# Altium PCB MCH_MAIN.PCBDOC (part 4 of 14) (continued)
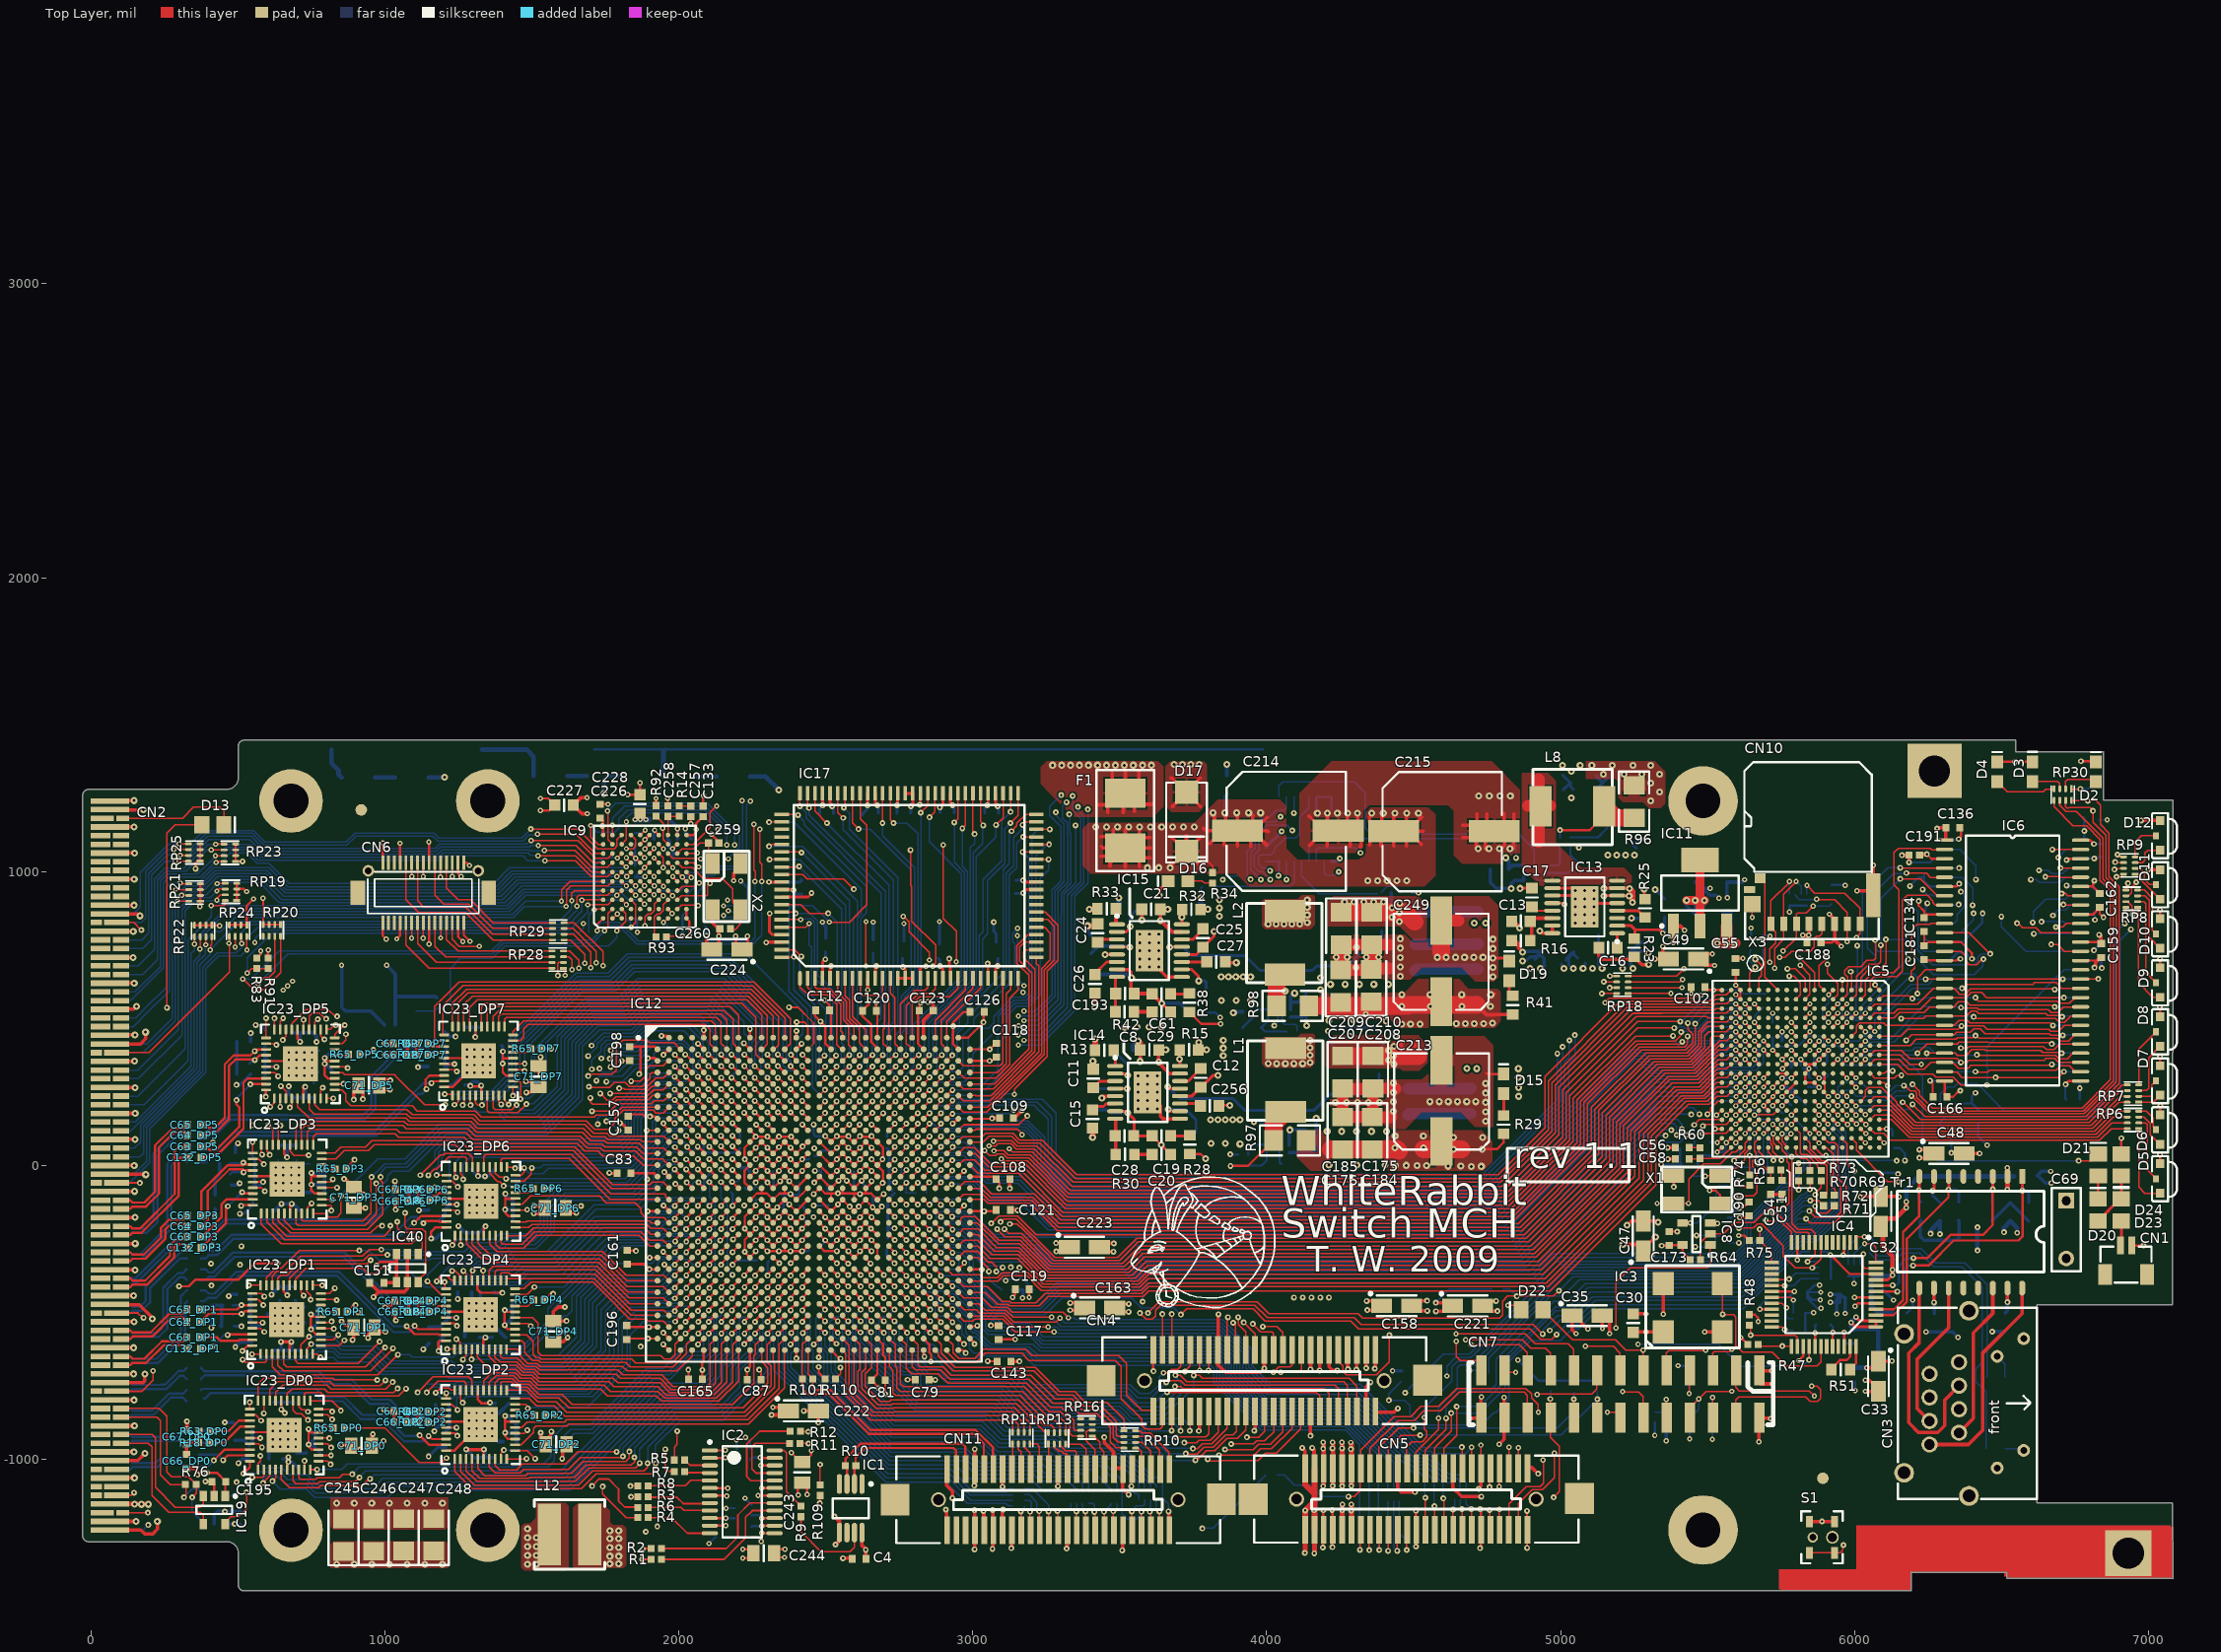
[diagram p0: Top Layer view]
## Nets (pads, with @x,y where several pads share a name; then routed paths per layer and width w, separated by ;. In a path a pad name is that pad's centre, name@x,y a point inside that pad or via, vN(x,y) a via of type N, cw(c..) or ccw(c..) an arc to the next point about the centre after c; other vN are vias at no path point) (continued)
  Top Layer w16: CN2.4@64.97,-1151.59 137,-1151.59 ; v3@149.4,-1151.59 137,-1151.59 ; v3(195.4,-1152.7) 194.29,-1151.59 137,-1151.59
  Bottom Layer w8: C225.2@1851,1020.52 1851,1042.9 v2(1853.2,1045.1) 1852,1046.3 C192.2@1852,1096.18 ; 3998,1034.28 4040.06,1034.28 U1.16@4041.43,1035.65 4041.43,987.13 v1(4040.2,985.9)
  Bottom Layer w10: R57.2@1850.28,840.9 1857,834.18 1857,795.9 v2(1859,793.9) ; v2(2211,967.9) 2234.68,944.22 2234.68,883.43 2234.68,863.74 RP31.4@2234.68,844.06
  Bottom Layer w12: v2(1006,680.9) 1035.72,651.18 1035.72,575.9 ; C254.1@1035.72,477.9 1035.72,575.9 ; IC18.3@1106.17,574.18 IC18.3@1105.46,574.9 ; R94.2@1177,570.62 1172.72,574.9 IC18.3@1105.46,574.9 ; 1035.72,575.9 1036.72,574.9 IC18.3@1105.46,574.9
  other v1: 371,880.9 1740,1154.9
  other v2: 2059,1143.5
  other v3: 172.4,-1152.7 149.4,-1151.7
+12V_BACKPLANE: CN2.2 CN2.9 CN2.18 CN2.27 CN2.42 CN2.57 CN2.72 CN2.84 F1.1 | length 1694.3
  Top Layer w12: CN2.2@64.97,-1210.65 148.63,-1210.65 v3@149.03,-1210.26 ; CN2.9@64.97,-1003.96 159.46,-1003.96 182.49,-980.93 v3@183.47,-979.94 ; CN2.18@64.97,-738.21 177.69,-738.21 183.8,-732.1 v3@183.8,-709.1 ; CN2.72@64.97,856.28 159.62,856.28 v3(166.8,849.1) ; CN2.42@86.62,-29.55 165.17,-29.55 178.05,-29.55 v3@182.4,-33.9 ; CN2.27@87.61,-473.45 164.84,-473.45 v3@209,-517.6 ; CN2.57@87.61,413.37 169.07,413.37 186.8,431.1 v3@186.8,453.3 ; CN2.84@99.03,1210.02 v3@177.57,1210.02 ; 3429.6,1227.1 F1.1@3495.39,1227.1 ; 3460.17,1202.12 3460.17,1225.74 F1.1@3501.44,1267.01 ; 3473.95,1335.98 3473.95,1312.06 F1.1@3519,1267.01 ; F1.1@3477.59,1308.42 F1.1@3519,1267.01 ; F1.1@3495.45,1243.46 F1.1@3519,1267.01 ; 3512.34,1201.14 F1.1@3512.34,1260.35 ; F1.1@3519,1256.81 F1.1@3519,1267.01 ; 3519,1336.21 F1.1@3519,1267.01 ; 3549.74,1204.09 3549.74,1236.27 F1.1@3519,1267.01 ; F1.1@3553.18,1228.7 3608.6,1228.7 ; F1.1@3553.38,1232.63 F1.1@3519,1267.01 ; F1.1@3555.49,1303.5 F1.1@3519,1267.01 ; 3564.5,1338.93 3564.5,1312.51 F1.1@3519,1267.01
  other v3: 153.4,-1211.1 183.8,-979.9 183.6,-709.1 209,-521.3 186.8,-31.1 186.4,453.5 179.6,1210.1 3271.7,1361.9 3302.25,1361.9 3332.79,1361.9 3363.34,1361.9 3393.88,1361.9 3424.43,1361.9 3454.97,1361.9 3485.52,1361.9 3516.06,1361.9 3546.61,1361.9 3577.15,1361.9 3607.7,1361.9
+12V_BULK: C8.1 C10.2 C21.1 C22.2 C23.2 C214.1 C215.1 CN5.1 CN5.2 CN5.3 CN5.4 D17.K F1.2 IC14.15 IC15.15 Q1.5 Q1.6 Q1.7 Q1.8 Q3.5 Q3.6 Q3.7 Q3.8 R13.2 R15.2 R32.2 R33.2 R34.2 R87.2 | length 5072.9
  Top Layer w5: D17.K@3727,1068.51 3764.36,1031.14 3802.66,1031.14 3816,1017.8 R34.2@3816,996.62 3816,1015.5 ; 3773.17,1021.02 3774.28,1019.9
  Top Layer w10: C8.1@3632.75,393.22 C8.1@3633.51,392.45
  Top Layer w12: 3435.57,1052.51 F1.2@3490.72,1052.51 ; 3435.57,1119.44 F1.2@3480.35,1119.44 ; 3437.54,1084.99 3441.74,1080.79 F1.2@3519,1080.79 ; 3467.06,1019.05 3467.06,1028.85 F1.2@3490.72,1052.51 ; 3477.89,1142.08 3477.89,1121.9 F1.2@3480.35,1119.44 ; 3519,1015.34 F1.2@3519,1080.79 ; 3519.23,1143.07 3519,1142.84 F1.2@3519,1080.79 ; 3567.46,1016.1 3567.46,1032.33 F1.2@3552.2,1047.59 ; v3@3567.46,1142.08 3567.46,1129.25 F1.2@3553.72,1115.51 ; 3602.89,1047.59 F1.2@3552.2,1047.59 ; 3603.87,1115.51 F1.2@3553.72,1115.51 ; 3604.86,1080.07 3604.14,1080.79 F1.2@3519,1080.79 ; C8.1@3632.75,393.22 3632.75,349.21 3669.51,312.44 IC14.15@3705.22,312.44 ; C21.1@3638.27,872.08 3638.27,834.83 3678.52,794.58 IC15.15@3712.03,794.58 ; v3@3677.69,1022 D17.K@3724.2,1068.51 ; 3677.69,1115.51 D17.K@3724.69,1068.51 ; 3725.68,1018.5 3727,1019.82 D17.K@3727,1067.18 ; 3727,1122.3 D17.K@3727,1068.51 ; 3773.17,1021.02 D17.K@3727,1067.18 ; 3775.13,1117.47 3775.13,1116.64 D17.K@3727,1068.51 ; 3785.5,1146.7 3793.3,1138.9 C214.1@3900.74,1138.9 ; 3805.65,1094.84 C214.1@3849.71,1138.9 ; 3805.87,1138.9 C214.1@3849.71,1138.9 ; v3@3822.5,1189.7 3822.5,1171.49 C214.1@3855.09,1138.9 ; 3854.86,1090.9 3854.86,1114.52 C214.1@3879.24,1138.9 ; v3@3860.76,1190.31 3860.76,1166.69 3863.72,1163.73 3875.91,1163.73 C214.1@3900.74,1138.9 ; 3900.74,1087.34 C214.1@3900.74,1138.9 ; v3@3900.74,1191.67 C214.1@3900.74,1138.9 ; 3946.39,1085.98 3946.39,1114.52 3944.43,1116.49 3923.15,1116.49 C214.1@3900.74,1138.9 ; 3954.27,1190.31 3952.3,1188.34 3952.3,1161.77 C214.1@3929.43,1138.9 ; 4000.53,1089.92 C214.1@3951.54,1138.9 ; 4001.51,1184.4 C214.1@3956.01,1138.9 ; 4005.45,1135.19 4001.74,1138.9 C214.1@3956.01,1138.9 ; v1(4120.8,-960.7) 4129.79,-969.69 CN5.1@4129.79,-1027.77 ; CN5.1@4128.5,-1026.48 CN5.1@4129.79,-1027.77 ; CN5.1@4129.79,-1030.77 CN5.1@4129.79,-1027.77 ; v1(4154.8,-960.3) 4161.28,-966.78 CN5.3@4161.28,-1027.77 ; CN5.4@4161.28,-1236.43 v1(4161.28,-1173.1) 4161.28,-1143.27 4161.28,-1116.11 ; 4349.94,1090.9 4349.94,1092.87 4350.92,1093.85 4350.92,1107.63 4381.19,1137.9 C215.1@4381.68,1137.9 ; 4349.94,1187.36 4349.94,1169.64 C215.1@4381.68,1137.9 ; 4389.31,1086.96 4389.31,1110.58 4393.24,1114.52 4408.36,1114.52 C215.1@4431.74,1137.9 ; v3@4391.28,1190.31 4391.28,1164.72 C215.1@4418.09,1137.9 ; v3@4431.74,1188.23 C215.1@4431.74,1137.9 ; 4432.61,1087.95 4431.74,1088.82 C215.1@4431.74,1137.9 ; v3@4474.94,1189.33 4474.94,1164.72 4458.56,1164.72 C215.1@4431.74,1137.9 ; 4475.92,1087.95 4475.92,1122.4 C215.1@4460.42,1137.9 ; 4526.12,1092.87 C215.1@4481.09,1137.9 ; 4528.09,1185.39 C215.1@4480.6,1137.9 ; 4532.02,1137.16 4531.28,1137.9 C215.1@4481.09,1137.9 ; F1.2@3480.35,1119.44 F1.2@3519,1080.79 ; F1.2@3480.35,1119.44 F1.2@3519,1080.79 ; F1.2@3490.72,1052.51 F1.2@3519,1080.79 ; F1.2@3490.72,1052.51 F1.2@3519,1080.79 ; F1.2@3519,1080.79 F1.2@3553.72,1115.51 ; F1.2@3519,1080.79 F1.2@3552.2,1047.59 ; F1.2@3519,1080.79 F1.2@3552.2,1047.59 ; F1.2@3519,1080.79 F1.2@3553.72,1115.51 ; D17.K@3724.2,1068.51 D17.K@3724.69,1068.51 ; D17.K@3724.2,1068.51 D17.K@3724.69,1068.51 ; D17.K@3724.69,1068.51 D17.K@3727,1068.51 ; D17.K@3724.69,1068.51 D17.K@3727,1068.51 ; D17.K@3724.69,1068.51 D17.K@3727,1068.51 ; D17.K@3727,1067.18 D17.K@3727,1068.51 ; D17.K@3727,1067.18 D17.K@3727,1068.51 ; C214.1@3849.71,1138.9 C214.1@3855.09,1138.9 ; C214.1@3849.71,1138.9 C214.1@3855.09,1138.9 ; C214.1@3855.09,1138.9 C214.1@3879.24,1138.9 ; C214.1@3855.09,1138.9 C214.1@3879.24,1138.9 ; C214.1@3855.09,1138.9 C214.1@3879.24,1138.9 ; C214.1@3879.24,1138.9 C214.1@3900.74,1138.9 ; C214.1@3879.24,1138.9 C214.1@3900.74,1138.9 ; C214.1@3879.24,1138.9 C214.1@3900.74,1138.9 ; C214.1@3879.24,1138.9 C214.1@3900.74,1138.9 ; C214.1@3900.74,1138.9 C214.1@3929.43,1138.9 ; C214.1@3900.74,1138.9 C214.1@3929.43,1138.9 ; C214.1@3900.74,1138.9 C214.1@3929.43,1138.9 ; C214.1@3900.74,1138.9 C214.1@3929.43,1138.9 ; C214.1@3929.43,1138.9 C214.1@3951.54,1138.9 ; C214.1@3929.43,1138.9 C214.1@3951.54,1138.9 ; C214.1@3929.43,1138.9 C214.1@3951.54,1138.9 ; C214.1@3951.54,1138.9 C214.1@3956.01,1138.9 ; C214.1@3951.54,1138.9 C214.1@3956.01,1138.9 ; C215.1@4381.68,1137.9 C215.1@4418.09,1137.9 ; C215.1@4381.68,1137.9 C215.1@4418.09,1137.9 ; C215.1@4418.09,1137.9 C215.1@4431.74,1137.9 ; C215.1@4418.09,1137.9 C215.1@4431.74,1137.9 ; C215.1@4418.09,1137.9 C215.1@4431.74,1137.9 ; C215.1@4431.74,1137.9 C215.1@4460.42,1137.9 ; C215.1@4431.74,1137.9 C215.1@4460.42,1137.9 ; C215.1@4431.74,1137.9 C215.1@4460.42,1137.9 ; C215.1@4431.74,1137.9 C215.1@4460.42,1137.9 ; C215.1@4460.42,1137.9 C215.1@4480.6,1137.9 ; C215.1@4460.42,1137.9 C215.1@4480.6,1137.9 ; C215.1@4460.42,1137.9 C215.1@4480.6,1137.9 ; C215.1@4480.6,1137.9 C215.1@4481.09,1137.9 ; C215.1@4480.6,1137.9 C215.1@4481.09,1137.9
  Top Layer w16: v1(4130,-1318.1) 4131.05,-1317.05 CN5.2@4131.05,-1239.43 ; v1(4162,-1319.1) 4162.54,-1318.56 CN5.4@4162.54,-1239.43
  Top Layer w20: v3(3396.31,872.07) 3423.26,872.07 R33.2@3424.28,873.08 ; v3(3416,430.9) 3416.16,430.74 R13.2@3416.16,392.3 ; CN5.2@4131.05,-1239.43 v1(4131.05,-1173.51) 4161.28,-1143.27 ; CN5.1@4131.05,-1030.77 4131.05,-1085.87 4161.28,-1116.11 ; CN5.4@4162.54,-1239.43 CN5.3@4162.54,-1030.77
  Bottom Layer w5: v3(3775.6,909.7) 3775.6,944.22 R87.2@3781.28,949.9
  Bottom Layer w12: v3(3858.03,1199.53) 3858.03,1256.43 C23.2@3865,1263.4
  Bottom Layer w20: v3(3775.6,909.7) 3775.6,877.32 C22.2@3775.27,876.99 3794.93,876.99 v3(3799.85,872.07)
  other v1: 4093,-449.1 4122.75,-449.1 4152.5,-449.1 4182.25,-449.1 4212,-449.1
  other v3: 4212.3,1.7 4307.27,1.7 4402.25,1.7 4205.9,116.1 4255.39,116.13 4305.97,116.13 4356.55,116.13 4407.12,116.13 3632.53,352.38 3657.14,393.72 3794.93,393.72 3769.34,419.31 3517.9,470.1 3558.69,470.76 3600.09,471.46 3642.29,471.46 4405.9,491.7 4211.7,493.8 4294.8,494.9 4182.68,598.48 4217.18,616.16 4266.39,616.16 4315.6,616.16 4364.81,616.16 4414.03,616.16 4182.68,638.66 3638.44,832.7 3664.03,872.07 4343.8,969.5 4377,969.5 4410.2,969.5 4443.4,969.5 4476.6,969.5 3594.7,1013.2 3632.95,1013.2 3671.2,1013.2 3418.3,1151.2 3455.63,1151.2 3492.97,1151.2 3530.3,1151.2 3567.63,1151.2 3604.97,1151.2 3642.3,1151.2 3679.63,1151.2 3716.97,1151.2 3754.3,1151.2 4357.04,1199.03 4396.75,1199.03 4436.47,1199.03 4476.18,1199.03 4515.9,1199.03 3817.6,1199.53 3898.45,1199.53 3938.88,1199.53 3979.3,1199.53
A0: IC5.E9 IC6.15 | length 601.8
  Top Layer w5: v1(6214.2,585) 6214.2,638.7 6218.6,643.1 ; 6218.6,643.19 6241.08,665.67 IC6.15@6305.85,665.67
  Top Layer w8: IC5.E9@5958.06,344.87 v2(5973.81,360.62)
  MidLayer1 w5: v2(5973.81,360.62) 5989.56,376.37 6075,376.37 6075.13,376.5 6158.8,376.5 6168.2,385.9 ; 6168.31,385.79 6214.2,431.69 v1(6214.2,585)
A1: IC5.A9 IC7.15 | length 949.5
  Top Layer w5: IC5.A9@6084.05,344.87 6145.78,344.87 6179.22,311.43 6266.68,311.43 6276.98,301.13 6335.03,301.13 6362.16,274 v1(6450.21,274)
  Bottom Layer w5: v1(6450.21,274) 6450.21,403.94 6711.95,665.67 IC7.15@6765.85,665.67
A2: IC5.D9 IC6.23 IC7.23 | length 818.5
  Top Layer w5: v1(6213.99,382.26) 6245.43,413.71 6271.53,413.71 6274,413.71 IC6.23@6305.85,413.71 ; IC6.23@6305.85,413.71 IC6.23@6305.85,413.71 ; IC6.23@6307.05,414.9 IC6.23@6305.85,413.71 ; v1@6671.72,414.69 6669.11,417.3 6459.5,417.3 6456.5,420.3 6354.5,420.3 6347.91,413.71 IC6.23@6305.85,413.71
  Top Layer w8: IC5.D9@5989.56,344.87 6000.8,356.11 v2(6005.33,360.61)
  Bottom Layer w5: v2@6008.96,356.11 v2(6005.33,360.61) 6020.83,376.12 6065.03,376.12 6065.15,376.24 6207.72,376.24 6207.84,376.12 v1(6213.99,382.26) ; v1(6670.73,413.71) IC7.23@6765.85,413.71
A3: IC5.C9 IC6.24 IC7.24 | length 784.3
  Top Layer w5: v1(6245.48,382.26) IC6.24@6305.85,382.21 IC6.24@6305.85,382.21 ; IC6.24@6318.32,382.26 6341.9,382.26 6349.56,374.6 6379.53,374.6 6399.03,394.1 6441.83,394.1 6444.91,391.01 6632.69,391.01 ; 6636.9,386.8 6632.69,391.01 ; v1(6704.2,382.21) 6702.2,384.21 6639.49,384.21 6632.69,391.01
  Top Layer w8: IC5.C9@6021.05,344.87 v2(6036.8,360.62)
  Bottom Layer w5: v2@6038.79,357.55 v2@6038.79,360.61 ; v2@6039.95,360.62 v2(6036.8,360.62) 6237.62,360.62 6245.48,368.48 v1(6245.48,382.26) ; v1(6704.2,382.21) IC7.24@6765.85,382.21
A4: IC5.B9 IC6.25 IC7.25 | length 734.4
  Top Layer w5: IC5.B9@6054.3,344.87 6052.58,344.87 6068.61,360.9 6150,360.9 6183.5,327.4 6235.91,327.4 6259.23,350.71 IC6.25@6305.85,350.71 ; IC6.25@6333.94,350.77 6353.49,331.21 6386.3,331.21 6395.8,340.71 6667.33,340.71 v1(6670.89,344.27)
  Bottom Layer w5: v1(6670.89,344.27) 6672.26,342.9 6704,342.9 6711.81,350.71 IC7.25@6765.85,350.71
A5: IC5.A8 IC6.26 IC7.26 | length 927.5
  Top Layer w5: IC5.A8@6084.05,376.37 6154.92,376.37 6187.39,343.9 v2(6227,343.9) ; IC6.26@6306.51,319.27 6308.47,317.3 6347.84,317.3 6365.38,299.77 6692.63,299.77 v1(6712.07,319.22)
  MidLayer1 w5: v2(6227,343.9) 6247.86,364.76 6333.26,364.76 6342,373.5 6382.17,373.5 6416.9,338.77 6440.55,338.77 v1(6479.73,299.59)
  Bottom Layer w5: v1(6712.07,319.22) IC7.26@6765.85,319.22
A6: IC5.F9 IC6.29 IC7.29 | length 1003.8
  Top Layer w5: v1@6411.82,318.29 6414.02,320.48 6416.9,317.6 6451.7,317.6 6458.87,324.77 6685.78,324.77 6699.72,338.72 6731.57,338.72 6751.07,319.22 IC6.29@6768.84,319.22
  Top Layer w8: IC5.F9@5926.57,344.87 v2(5942.31,360.62)
  MidLayer1 w5: v2(5942.31,360.62) 5962.63,340.3 6097.6,340.3 6102.42,345.12 6112.61,345.12 ; 6104.6,345.12 6112.61,345.12 ; v1(6410.84,319.27) 6198.24,319.27 6172.39,345.12 6112.61,345.12
  Bottom Layer w5: IC7.29@6302.86,319.22 v1(6410.84,319.27)
A7: IC5.B8 IC6.30 IC7.30 | length 809.2
  Top Layer w5: IC5.B8@6052.55,376.37 6067.92,391.74 6159.24,391.74 6186.86,364.12 6348.17,364.12 v1(6361.57,350.71) 6381.2,350.71 6388.37,357.89 6644.81,357.89 6650.7,363.77 6680.92,363.77 6693.92,350.77 IC6.30@6768.84,350.71
  Bottom Layer w5: IC7.30@6302.86,350.71 v1(6361.57,350.71)
A8: IC5.C8 IC6.31 IC7.31 | length 786.5
  Top Layer w5: IC5.C8@6021.05,376.37 v2@6036.43,391.74 ; v1@6414.72,382.21 6422.72,374.21 6684.63,374.21 6696.12,362.71 6723.7,362.71 6743.2,382.21 IC6.31@6768.84,382.21
  Bottom Layer w5: v2(6036.8,392.11) 6196.26,392.11 6205.91,401.76 6253.56,401.76 6273.11,382.21 IC7.31@6302.86,382.21 6341.3,382.21 6348.41,375.1 6414.1,375.1 v1(6415.6,376.6)
A9: IC5.D8 IC6.32 IC7.32 | length 820.8
  Top Layer w5: v1(6361.5,399.7) 6384.1,399.7 6389.9,405.5 6444.57,405.5 6447.3,405.5 6642.01,405.5 6653.3,394.21 6678.81,394.21 6697.8,413.2 6768.33,413.2 IC6.32@6768.84,413.71
  Top Layer w8: IC5.D8@5989.56,376.37 v2(6005.31,392.11)
  Bottom Layer w5: v2(6005.31,392.11) 6019.27,406.07 6027.43,406.07 6029.46,408.11 6044.14,408.11 6044.45,407.8 6189.4,407.8 6197,415.4 6301.17,415.4 IC7.32@6302.86,413.71 ; IC7.32@6300.92,411.76 IC7.32@6302.86,413.71 ; v1@6362.1,399.5 6347.89,413.71 IC7.32@6302.86,413.71
A10: IC5.A7 IC6.33 IC7.33 | length 827.4
  Top Layer w5: IC5.A7@6084.05,407.86 6188.39,407.86 6209.88,429.36 6273.04,429.36 6276,429.36 6344.35,429.36 6350.05,435.05 6402.6,435.05 v1@6412.81,445.26 ; v1@6412.81,443.29 6422.89,433.21 6688.82,433.21 6698.83,423.2 6727.79,423.2 6749.79,445.2 IC6.33@6768.84,445.2
  Bottom Layer w5: IC7.33@6302.86,445.2 6374.9,445.2 6378.1,442 v1(6411.2,442)
A11: IC5.A6 IC6.34 IC7.34 | length 773.6
  Top Layer w5: IC5.A6@6084.05,439.36 6156.81,439.36 6180.4,462.95 6209.19,462.95 ; 6209.19,462.97 6273.19,462.97 6273.42,463.21 6352.02,463.21 v1(6363.59,474.78) ; v1@6365.56,474.78 6365.64,474.7 6439.5,474.7 6450.31,463.9 6659.9,463.9 6666.59,457.2 6694.17,457.2 6713.67,476.7 IC6.34@6768.84,476.7
  Bottom Layer w5: IC7.34@6302.86,476.7 v1@6363.59,476.7
A12: IC5.F8
A13: IC5.C7 IC6.35 IC7.35 | length 807.1
  Top Layer w5: v1(6405.14,505.69) 6410.64,500.19 6684.63,500.19 6698.04,486.78 6714.19,486.78 6735.64,508.23 IC6.35@6767.12,508.23
  Top Layer w8: IC5.C7@6021.05,407.86 v2(6036.8,423.61)
  Bottom Layer w5: v2@6036.97,423.44 v2(6036.8,423.61) 6040.51,419.9 6134,419.9 6222.32,508.22 6245,508.22 IC7.35@6302.83,508.22 ; IC7.35@6304.54,508.25 6402.58,508.25 v1(6405.14,505.69)
A14: IC5.E7 IC6.36 IC7.36 | length 882.2
  Top Layer w5: v1@6370.12,535.19 6417.36,535.19 6421.77,530.77 6658.42,530.77 6669,520.19 6690.73,520.19 6710.23,539.69 IC6.36@6768.84,539.69
  Top Layer w8: IC5.E7@5958.06,407.86 v2(5973.81,423.61)
  Bottom Layer w5: v2(5973.81,423.61) 6013.21,423.61 6028.95,439.35 6043.55,439.35 6053,429.9 6122,429.9 6231.82,539.72 6247.57,539.72 6249,539.72 6270.21,539.72 ; 6265.11,539.69 IC7.36@6302.86,539.69 v1@6359.71,539.69
  other v1: 6361.83,537.18
A15: IC5.B7
A16: IC5.F7 IC6.20 IC7.20 | length 925.4
  Top Layer w5: v1(6158,499.9) 6232,499.9 6235.17,499.9 6243.46,508.19 IC6.20@6305.85,508.19 ; IC6.20@6304.54,508.25 6380.12,508.25 6397.06,525.19 6413.22,525.19 6421.6,516.8 6650.29,516.8 6656.9,510.19 6702.2,510.19 v1(6706.11,506.28)
  Top Layer w8: IC5.F7@5926.57,407.86 v2(5942.31,423.61)
  MidLayer1 w5: v2(5942.31,423.61) 5958.06,439.36 6097.46,439.36 v1(6158,499.9)
  Bottom Layer w5: v1@6706.11,504.31 6710,508.19 IC7.20@6765.85,508.19 IC7.20@6792.67,508.19
A17: IC5.D6 IC6.21 IC7.21 | length 825.9
  Top Layer w5: IC5.D6@5989.56,439.36 6005.68,455.48 6005.68,475.81 6015.77,485.9 6098,485.9 6107.2,476.7 IC6.21@6305.85,476.7 IC6.21@6308.53,476.7 ; IC6.21@6308.47,476.75 IC6.21@6308.53,476.7 ; v1(6674.67,476.7) 6666.67,484.7 6392.67,484.7 6383.09,494.28 6355.52,494.28 6337.93,476.7 IC6.21@6308.53,476.7
  Bottom Layer w5: v1(6674.67,476.7) IC7.21@6765.85,476.7
A18: IC5.D7
A19: IC5.A5
A20: IC5.D5
A21: IC5.C6
A22: IC5.B6 | length 1
  Top Layer w5: IC5.B6@6052.55,439.36 IC5.B6@6053.56,439.36
AD4: IC9.K9 U1.3 | length 2353.1
  Top Layer w5: IC9.K9@2026.46,1092.87 2049.97,1092.87 2107,1149.9 2107,1200.9 v2(2129,1222.9)
  MidLayer1 w5: v2(2129,1222.9) 2154,1222.9 2177.5,1199.4 2332,1199.4 2359.75,1171.65 2459.25,1171.65 2480.5,1150.4 2520.76,1110.14 2844,1110.14 ; 2835.24,1110.14 2844,1110.14 ; v1(4092.6,1199.4) 4072.6,1199.4 4065.2,1206.8 4035,1206.8 4021.9,1193.7 4021.9,1173.4 3994.93,1146.43 3840.67,1146.43 3815.24,1121 3323.39,1121 3277.49,1166.9 3219,1166.9 3191,1138.9 3167.49,1138.9 3138.73,1110.14 2844,1110.14
  Bottom Layer w5: v1(4092.6,1199.4) U1.3@4092.61,1254.15
ADC_3V3: R88.1 R90.2 U1.13 | length 425.9
  Bottom Layer w5: U1.13@4118.2,1035.65 4118.2,985.6 4178.9,924.9 R88.1@4378.5,924.9 ; R88.1@4389.49,927.9 R88.1@4388.28,927.9 4410.26,949.88 4437.3,949.88 R90.2@4459.28,927.9
ADC_12V: R87.1 R89.2 U1.14 | length 368.3
  Bottom Layer w5: R87.1@3816.72,949.9 3817.22,950.4 3945.2,950.4 ; 3934.22,950.4 3945.2,950.4 ; 4029.8,950.4 4033.4,950.4 ; U1.14@4092.61,1035.65 4092.61,963.51 4079.5,950.4 4033.4,950.4 ; 3945.2,950.4 4033.4,950.4
AUX0: IC12.H12 | length 32.2
  Top Layer w8: v1(2337.32,180.82) 2339.01,180.82 IC12.H12@2360.62,159.21
AUX1: IC12.Y15 | length 2.5
  Top Layer w5: IC12.Y15@2476.27,-313.23 IC12.Y15@2478.73,-313.23
AUX2: IC12.M4 | length 29
  Top Layer w8: v1@2025.31,22.35 2045.65,2.01 IC12.M4@2045.65,1.73
  other v1: 2025.5,20.7
AUX3: IC12.AB17 | length 27.1
  Top Layer w8: IC12.AB17@2557.47,-391.97 2557.47,-394.1 v1@2575.1,-411.73
  other v1: 2576.09,-411.67
AUX4: IC12.AA19 | length 25.1
  Top Layer w8: IC12.AA19@2636.21,-352.6 2636.21,-352.76 v1@2653.84,-370.4
  other v1: 2654.83,-372.3
AUX5: IC12.C11 | length 27.4
  Top Layer w8: v1@2301.89,375.42 IC12.C11@2321.25,356.06
  other v1: 2301.89,377.67
AUX6: IC12.J14 | length 27.7
  Top Layer w8: v1(2420.4,139.7) 2420.4,138.8 IC12.J14@2439.36,119.84
AUX7: IC12.Y12 | length 3.1
  Top Layer w5: IC12.Y12@2360.62,-316.28 IC12.Y12@2360.62,-313.23
CAS: IC5.B3 IC6.17 IC7.17 | length 774.2
  Top Layer w5: IC5.B3@6052.55,533.85 6053.3,533.85 6069.15,549.7 6215,549.7 6268,602.7 ; 6268,602.68 IC6.17@6305.85,602.68 6338.06,602.68 6346.06,594.68 6357.48,583.24 6377.2,583.24 6394.41,600.45 6665.2,600.45 6667.43,602.68 6676.64,602.68 v1(6680.52,598.8) ; IC6.17@6300.6,604.7 IC6.17@6305.85,604.7
  Bottom Layer w5: v1(6680.52,598.8) 6676.64,602.68 IC7.17@6765.85,602.68
CLKB_FPGA_DCLK: CN5.25 R71.1 | length 1973.3
  Top Layer w5: CN5.25@4507.74,-1027.77 4507.74,-974.76 4584,-898.5 v2(4584,-860.1) ; v2(5866,-138.1) 5866,-155.1 5872.2,-161.3 5906.52,-161.3 R71.1@5931,-136.82
  Bottom Layer w5: v2(4584,-860.1) 4584,-824.1 4598.5,-809.6 ; 4597.5,-810.6 4598.5,-809.6 ; 5161.2,-368.06 5175,-368.06 ; 5780.72,-180.1 5774.86,-185.96 ; v2(5866,-138.1) 5865.5,-137.6 5823.22,-137.6 5774.86,-185.96 ; 4598.5,-809.6 4648,-760.1 4648,-688.1 4658,-678.1 4714,-678.1 5024.04,-368.06 5175,-368.06 ; 5175,-368.06 5611.75,-368.06 5686,-293.82 5686,-275.28 5724.5,-236.78 5724.5,-236.32 5774.86,-185.96
CLKB_FPGA_DIN: CN5.23 R72.1 | length 1951.9
  Top Layer w5: CN5.23@4476.24,-1027.77 4476.24,-957.66 4494.7,-939.2 4528.6,-939.2 4544.8,-923 4544.8,-905.1 4536,-896.3 v2(4536,-857.1) ; v1(5849,-119.1) 5876.28,-119.1 R72.1@5894,-136.82 ; R72.1@5894.96,-141.78 R72.1@5896,-142.82
  Bottom Layer w5: v2(4536,-857.1) 4536,-827.1 4556.5,-806.6 4629.5,-733.6 4629.5,-685.1 4648.5,-666.1 4707,-666.1 5015.04,-358.06 5607.18,-358.06 5676,-289.24 5676,-271.13 5714.5,-232.63 5714.5,-232.17 5826.28,-120.4 5847.7,-120.4 v1(5849,-119.1)
CMI_CLKSRC0: CN4.19 IC12.AF26 | length 1118.6
  Top Layer w5: v1(3886,-535.1) 3894,-543.1 3894,-624.26 CN4.19@3897.51,-627.77 ; CN4.19@3897.25,-630.77 CN4.19@3897.25,-627.77
  Top Layer w8: IC12.AF26@2911.8,-549.45 2911.8,-549.61 v1@2929.43,-567.25
  MidLayer1 w5: v1(2930.42,-568.17) 2954.17,-568.17 2959.8,-573.8 3151.4,-573.8 3174.5,-596.9 3368.8,-596.9 3412,-553.7 3867.4,-553.7 v1(3886,-535.1)
CMI_CLKSRC1: CN4.17 IC12.AE25 | length 1251.3
  Top Layer w5: CN4.17@3865.76,-630.77 CN4.17@3865.76,-627.77 ; 3866.02,-548.1 CN4.17@3866.02,-627.77 3866.02,-518.08 v1(3868,-516.1)
  Top Layer w8: IC12.AE25@2872.43,-510.08 2872.43,-512.21 v1@2892.03,-531.81
  MidLayer1 w5: v1(2892.03,-532.73) 2909.6,-550.3 2950.8,-550.3 2963.3,-562.8 3158.7,-562.8 3181,-585.1 3359.5,-585.1 3405,-539.6 3844.5,-539.6 v1(3868,-516.1)
CMI_IRQ0: CN4.23 IC12.AF24 | length 1301.3
  Top Layer w5: v1(3922,-534.1) 3960.5,-572.6 CN4.23@3960.5,-627.77
  Top Layer w8: IC12.AF24@2833.06,-549.45 2852.66,-569.06 v1@2852.66,-569.22
  MidLayer1 w5: v1(2855.61,-569.15) 2943.66,-657.2 2998.4,-657.2 3024.4,-631.2 3379.8,-631.2 3424.4,-586.6 3886.5,-586.6 3922,-551.1 v1(3922,-534.1)
CMI_IRQ1: CN4.21 IC12.AF25 | length 1299
  Top Layer w5: v1(3903,-516.1) 3904,-517.1 3904,-541.09 3928.75,-565.84 ; CN4.21@3928.75,-630.77 3928.75,-565.84 ; CN4.21@3929.01,-627.77 3929.01,-566.1 3928.75,-565.84
  Top Layer w8: IC12.AF25@2872.43,-549.45 v1@2890.06,-567.09
  MidLayer1 w5: v1(2891.05,-568.17) 2912.18,-589.3 3019.1,-589.3 3043.6,-613.8 3372.6,-613.8 3417.6,-568.8 3877.05,-568.8 3903.5,-542.35 v1@3903.5,-516.6
CMI_PIO0: CN4.13 IC12.AD22 | length 1457.1
  Top Layer w5: v1(3802,-697.1) 3803.02,-696.08 CN4.13@3803.02,-627.77 ; v1@3802.76,-687.26 CN4.13@3802.76,-630.77
  Top Layer w8: IC12.AD22@2751.35,-468.82 IC12.AD22@2754.24,-468.82 ; IC12.AD22@2754.32,-470.71 v1@2774.02,-490.41
  MidLayer1 w5: v1(2776,-490.1) 2760.37,-505.73 2760.37,-628.37 2838.8,-706.8 2881.3,-706.8 2908.3,-733.8 3397.9,-733.8 3476.8,-654.9 3794.8,-654.9 3803,-663.1 v1@3803,-696.1
CMI_PIO1: CN4.11 IC12.AC21 | length 1472.4
  Top Layer w5: 3771.27,-686.37 CN4.11@3771.27,-630.77 ; v2@3771.53,-696.63 CN4.11@3771.53,-627.77
  Top Layer w8: IC12.AC21@2714.95,-431.34 2732.58,-448.98 v1@2732.58,-449.14
  MidLayer1 w5: v1(2733.57,-451.04) 2750.07,-467.54 2750.07,-650.57 2790.45,-690.95 2790.85,-690.95 2849.4,-749.5 3403.4,-749.5 3482,-670.9 3761.8,-670.9 3773,-682.1 3773,-696.1 v2(3772,-697.1)
CMI_PIO2: CN4.9 IC12.AB20 | length 1441.5
  Top Layer w5: v1@3723.4,-697.9 3739.77,-681.53 CN4.9@3739.77,-630.77
  Top Layer w8: IC12.AB20@2675.58,-391.97 2693.37,-409.77 v1@2697.15,-409.77
  MidLayer1 w5: v1(2698.13,-411.67) 2699.67,-411.67 2715.63,-427.63 2715.63,-646.93 2776.6,-707.9 2787.1,-707.9 2842.4,-763.2 3416.8,-763.2 3497.4,-682.6 3704.3,-682.6 v1(3722,-700.3)
CMI_PIO3: CN4.7 IC12.AE23 | length 1160
  Top Layer w5: v1(3649,-705.3) 3665.4,-705.3 3677.1,-693.6 3698.3,-693.6 3708.28,-683.62 CN4.7@3708.28,-630.77
  Top Layer w8: IC12.AE23@2793.69,-510.08 2811.32,-527.72 v1@2811.32,-529.85
  Bottom Layer w5: v1(2812.31,-529.78) 2834.95,-552.42 2834.95,-600.05 2845,-610.1 2866.4,-610.1 2943.6,-687.3 3147.5,-687.3 3204.9,-744.7 3534.8,-744.7 3566.6,-776.5 3604.4,-776.5 3633.4,-747.5 3633.4,-720.9 v1(3649,-705.3)
CMI_SPI_CS: CN4.27 IC12.AE24 | length 1434.1
  Top Layer w5: v1(3953,-539.1) 3980,-566.1 4018,-566.1 4023.5,-571.6 CN4.27@4023.5,-627.77 ; CN4.27@4023.24,-630.77 CN4.27@4023.24,-627.77
  Top Layer w8: IC12.AE24@2833.06,-510.08 2850.85,-527.88 v1@2854.63,-527.88
  MidLayer1 w5: v1@2855.61,-531.19 2839.11,-547.69 2839.11,-581.71 2927.4,-670 3006.5,-670 3032.4,-644.1 3387.3,-644.1 3431.7,-599.7 3892.4,-599.7 v1(3953,-539.1)
  other v1: 2855.61,-529.78
CMI_SPI_SCLK: CN4.33 IC12.AF23 | length 1536.1
  Top Layer w5: v2(4048,-704.1) 4109,-704.1 4119,-694.1 4119,-628.79 CN4.33@4117.98,-627.77
  Top Layer w8: IC12.AF23@2793.69,-549.45 2793.69,-549.61 v1@2813.29,-569.22
  MidLayer1 w5: v1(2812.31,-569.15) 2811.7,-569.76 2811.7,-593.1 2918.1,-699.5 3385.7,-699.5 3457.9,-627.3 3971.2,-627.3 v2(4048,-704.1)
CMI_SPI_SDIN: CN4.31 IC12.AC22 | length 1678.1
  Top Layer w5: v2(4023,-704.1) 4042,-685.1 4080,-685.1 4086.49,-678.61 CN4.31@4086.49,-627.77
  Top Layer w8: IC12.AC22@2754.32,-431.34 v1@2774.02,-451.04
  MidLayer1 w5: v1(2776.87,-451.04) 2777.94,-451.04 2793.7,-466.8 ; 2789.8,-462.9 2793.7,-466.8 ; v2(4023,-704.1) 4023,-697.27 3967.33,-641.6 3467.7,-641.6 3392.3,-717 2913.1,-717 2889.2,-693.1 2845.2,-693.1 2793.7,-641.6 2793.7,-466.8
CMI_SPI_SDOUT: CN4.29 IC12.AD24 | length 1531.8
  Top Layer w5: v1(3987,-548.1) 4035,-548.1 4042,-555.1 4044,-557.1 4054.99,-568.09 CN4.29@4054.99,-627.77 ; CN4.29@4054.73,-630.77 CN4.29@4054.73,-627.77
  Top Layer w8: IC12.AD24@2833.06,-470.71 2834.87,-470.71 v1@2854.63,-490.48
  MidLayer1 w5: v1(2855.61,-490.41) 2830.11,-515.91 2830.11,-591.41 2922.7,-684 3372.5,-684 3442.5,-614 3921.1,-614 v1(3987,-548.1)
CPU_A0: IC5.U6 IC12.AA24 | length 3315.8
  Top Layer w5: v1@3126,-198.9 3126,-195.1 3126.15,-195.25 v1(3126.15,-198.9) 3151.8,-198.9 3172,-219.1 3174,-221.1 3247.5,-294.6 3247.5,-294.69 3275.41,-322.6 3500.1,-322.6 3563,-259.7 4892.2,-259.7 5166,14.1 5166,163.1 5336.43,333.53 5449.99,333.53 5541.45,424.98 5565.29,424.98 IC5.U6@5579.89,439.58
  Top Layer w8: IC12.AA24@2832.98,-352.68 IC12.AA24@2832.98,-351.63 ; IC12.AA24@2833.06,-352.6 2833.06,-354.73 v1@2852.66,-374.33
  MidLayer1 w5: v1(2852.66,-375.25) 2870.47,-357.45 2984.55,-357.45 3090.2,-251.8 3099,-251.8 3126,-224.8 3126,-198.9 3126,-195.1 3126.15,-195.25 v1(3126.15,-198.9)
CPU_A1: IC5.V5 IC12.R28 | length 3005.9
  Top Layer w5: IC12.R28@2990.54,-116.38 2991.18,-115.74 3038.52,-115.74 3051.44,-128.66 3051.81,-129.03 3194.33,-129.03 3287.8,-222.5 4867.4,-222.5 5130,40.1 5130,187.7 5305.83,363.53 5437.57,363.53 5479.03,404.99 5479.03,453.03 5498.73,472.73 5546.73,472.73 IC5.V5@5548.61,470.85
CPU_A2: IC5.R6 IC12.J25 | length 3172.8
  Top Layer w5: IC12.J25@2872.43,119.84 v1@2892.03,139.45 ; v1@2891.76,142.98 2893.02,144.23 v1@2893.02,148.3
  Top Layer w8: v2(5627.24,455.44) IC5.R6@5642.99,439.69
  Bottom Layer w5: v1@2892.03,139.45 v1(2892.03,142.4) 2909.03,159.4 3028.5,159.4 3046.5,141.4 3184.11,141.4 3231.8,93.71 3231.8,7.5 3319.4,-80.1 4755.8,-80.1 5038.8,202.9 5038.8,202.96 5229.37,393.53 5442.56,393.53 5463.58,414.56 5543.56,414.56 5568.44,439.44 5589.32,439.44 ; 5589.21,439.33 5589.32,439.44 ; v2(5627.24,455.44) 5611.24,439.44 5589.32,439.44
CPU_A3: IC5.V6 IC12.AA22 | length 3510.8
  Top Layer w5: v1(3095,-192.1) 3105.7,-181.4 3148.44,-181.4 3263.9,-296.86 ; 3263.9,-296.95 3279.55,-312.6 3493.13,-312.6 3558.03,-247.7 4882.2,-247.7 5154,24.1 5154,169.7 5327.83,343.53 5445.85,343.53 5510.36,408.04 5510.36,434 5515.72,439.36 IC5.V6@5548.61,439.36 IC5.V6@5545.1,442.87
  Top Layer w8: IC12.AA22@2754.32,-352.6 2754.32,-354.73 v1@2773.92,-374.33
  MidLayer1 w5: v1(2773.92,-375.25) 2790.42,-391.75 2965.25,-391.75 3095,-262 3114.1,-262 3147,-229.1 3147,-187.1 3137,-177.1 3113,-177.1 3098,-192.1 v1(3095,-192.1)
CPU_A4: IC5.P8 IC12.H24 | length 3411.3
  Top Layer w5: v1@2848.46,174.61 IC12.H24@2833.06,159.21 v1@2851.68,177.83
  Top Layer w8: v2(5658.74,392.44) IC5.P8@5674.48,376.69
  MidLayer1 w5: v1(5006.6,403.9) 5009,401.5 5314,401.5 5348.8,366.7 5527.2,366.7 5568.44,407.94 5643.24,407.94 v2(5658.74,392.44)
  Bottom Layer w5: v1(2852.66,177.83) 2878.47,203.64 2934.72,203.64 ; 2934.64,203.56 2934.72,203.64 ; 2938.65,203.64 2934.72,203.64 ; v1(5006.6,403.9) 5007.8,402.7 5007.8,364.7 5000.8,357.7 5000.8,218.64 4740.06,-42.1 3342.4,-42.1 3268.4,31.9 3268.4,166.2 3219.1,215.5 2952.8,215.5 2940.94,203.64 2934.72,203.64
CPU_A5: IC5.U7 IC12.W22 | length 3325
  Top Layer w5: v1@3081,-218.1 v1(3083,-216.1) 3109.2,-242.3 3163.74,-242.3 3264.14,-342.7 3516.2,-342.7 3573.2,-285.7 4907,-285.7 5190,-2.7 5190,147.1 5356.43,313.53 5458.28,313.53 5537.24,392.49 5564.29,392.49 IC5.U7@5579.89,408.08
  Top Layer w8: IC12.W22@2754.32,-273.86 2754.32,-275.99 v1@2773.92,-295.59
  MidLayer1 w5: v1(2773.92,-296.51) 2773.92,-293.28 2787.3,-279.9 3019.2,-279.9 v1(3083,-216.1)